# Altium PCB PCB1.PcbDoc
Units mm, origin at the board's own origin, x right, y up, seen from the top; angles counter-clockwise.
Board outline 66 x 58.3 mm, 4 copper layers (Top Layer, Sig1, Sig2, Bottom Layer), stack 1.369 mm thick; 82 components, 71 nets, 312 pads, 288 vias.
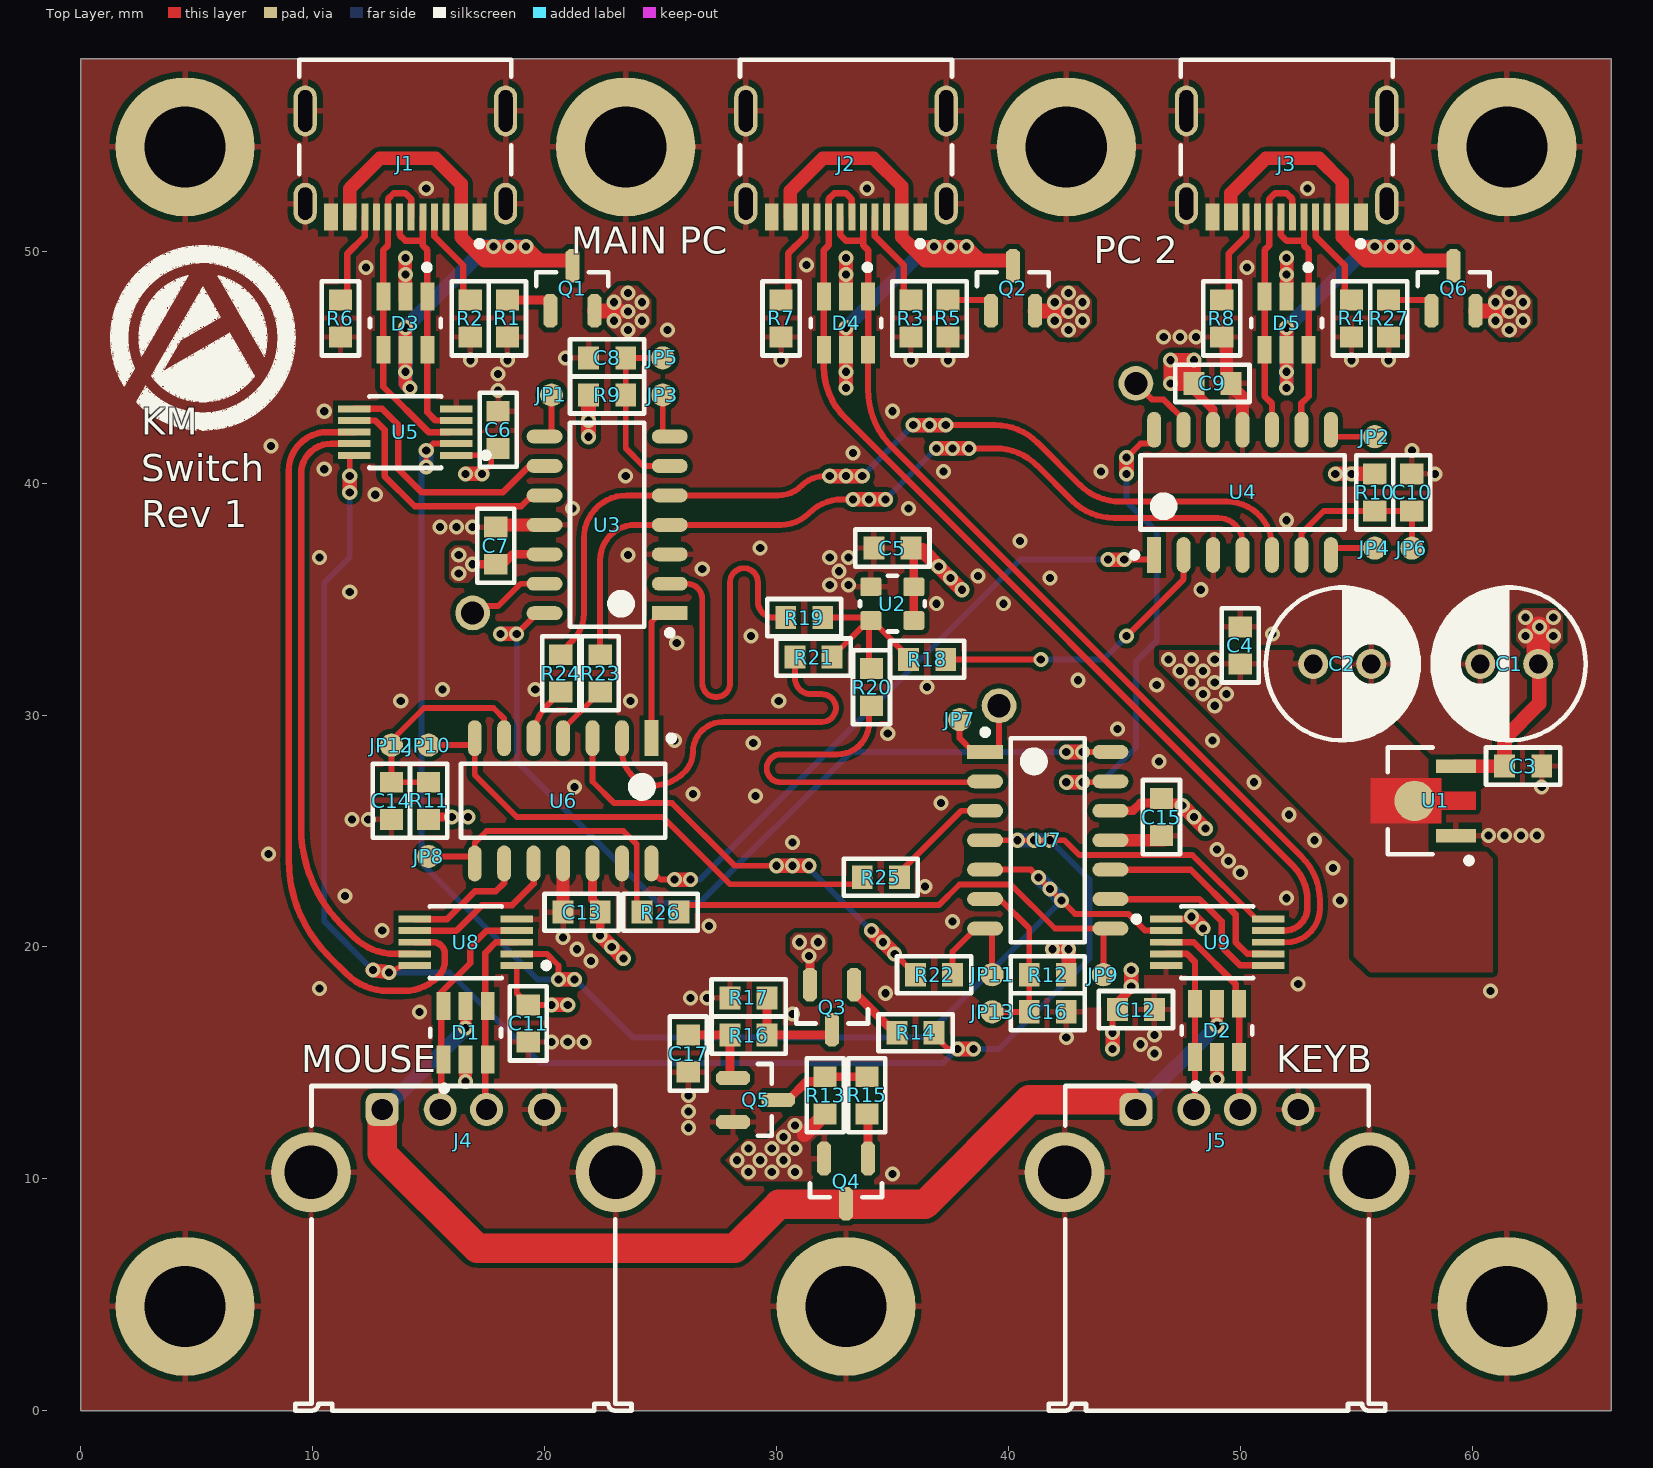
[diagram p0: Top Layer view]
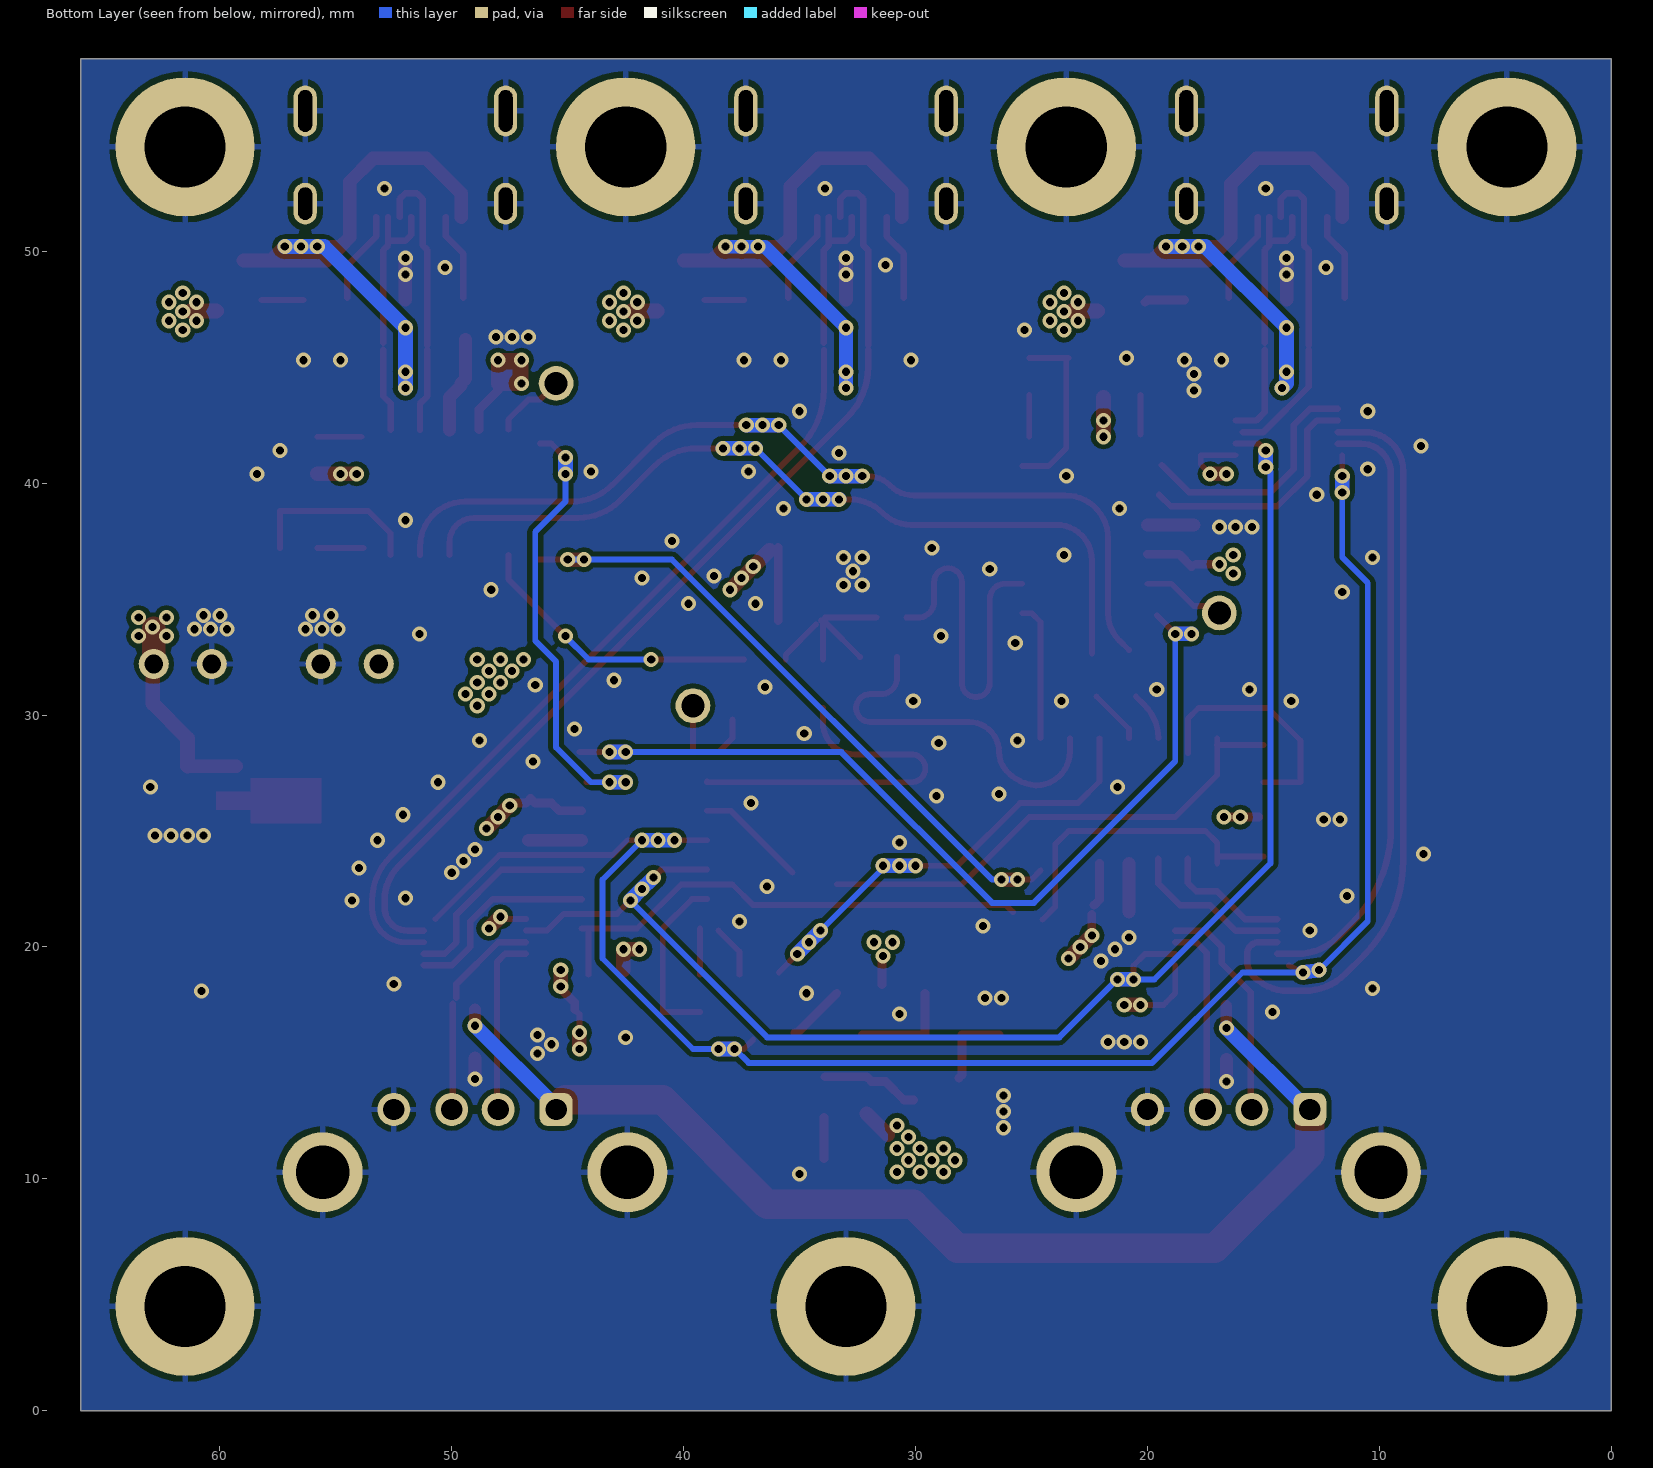
[diagram p1: Bottom Layer view, seen from below]
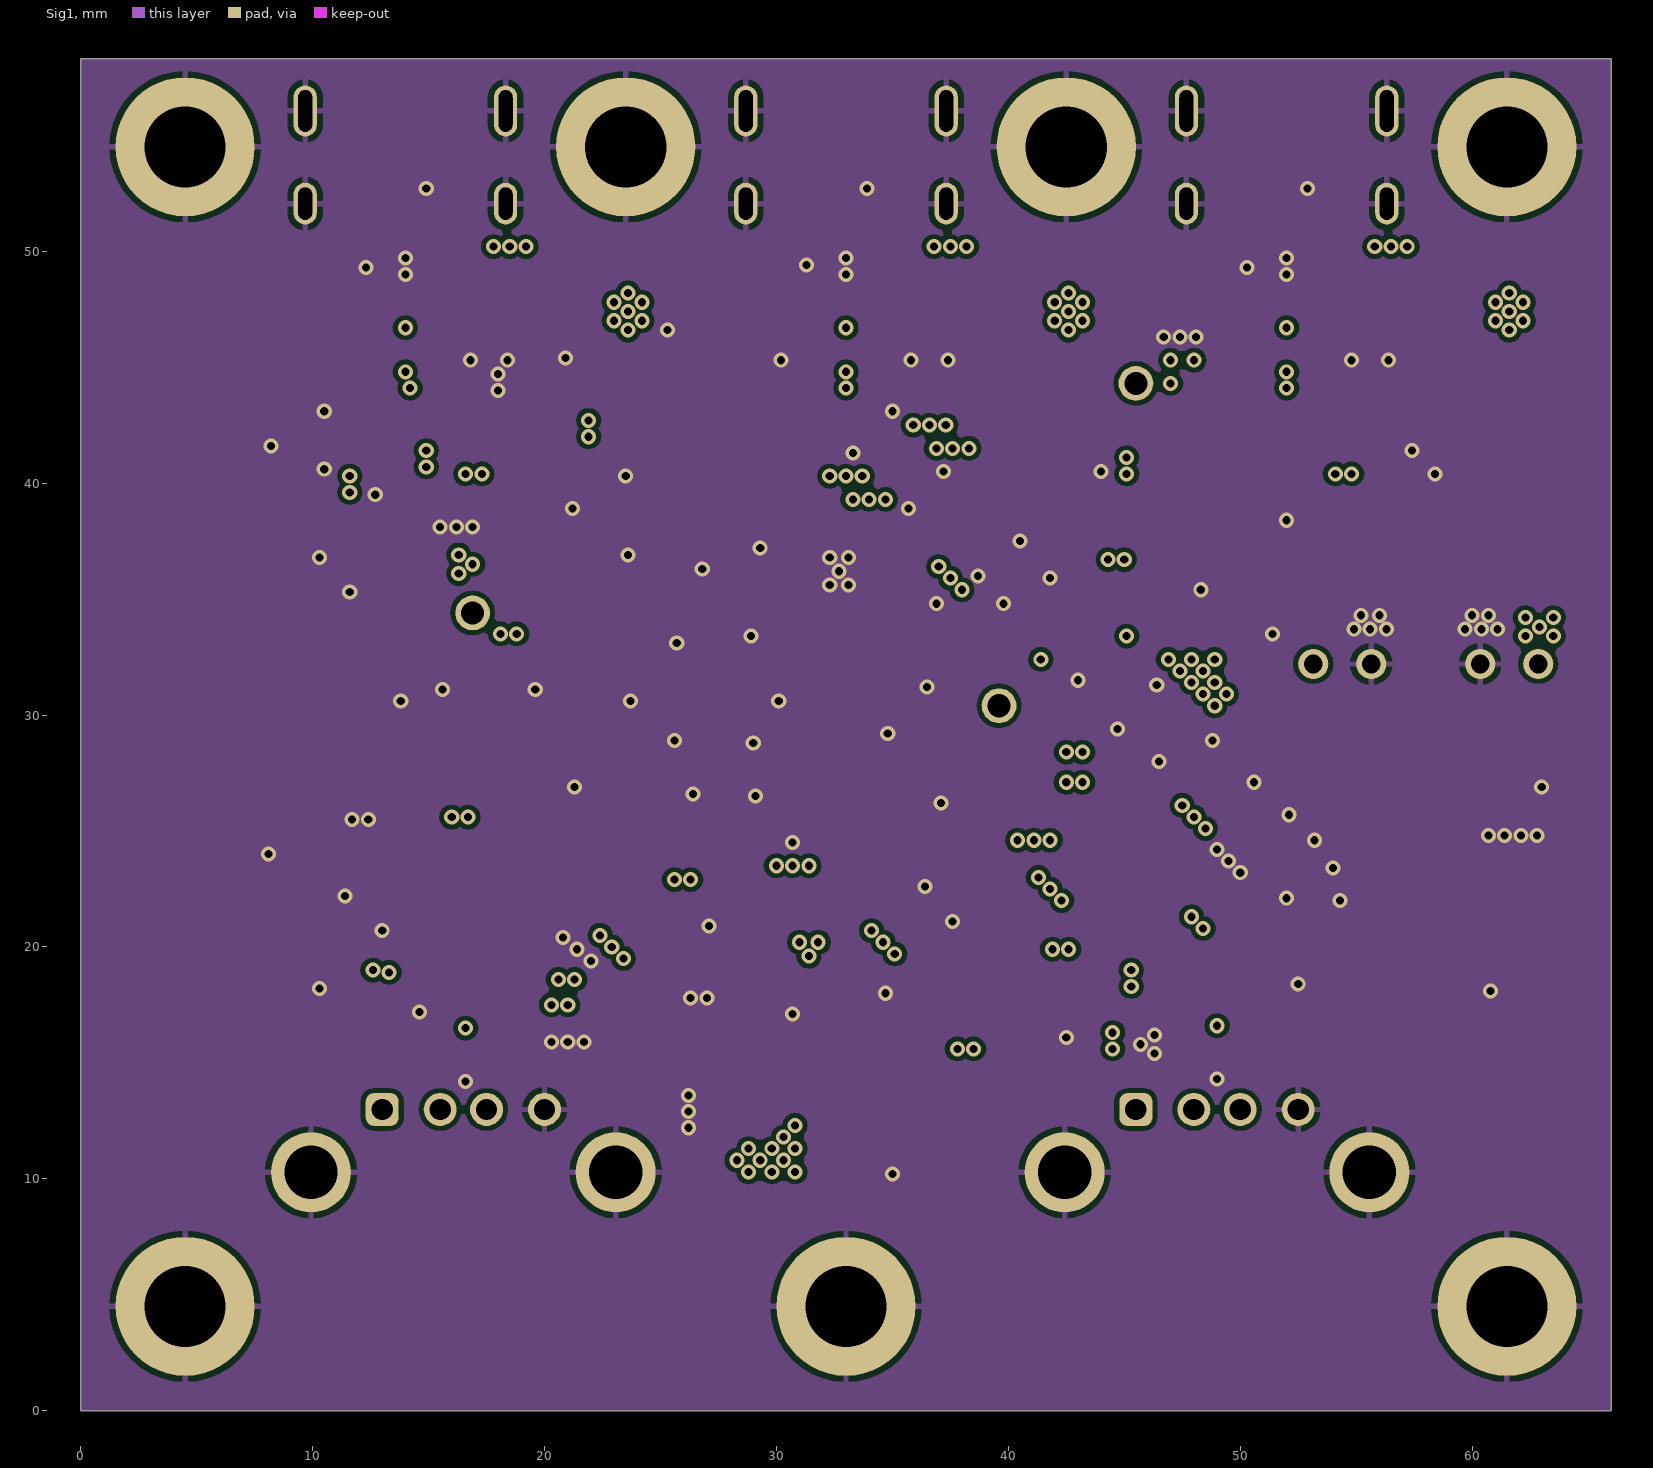
[diagram p2: Sig1]
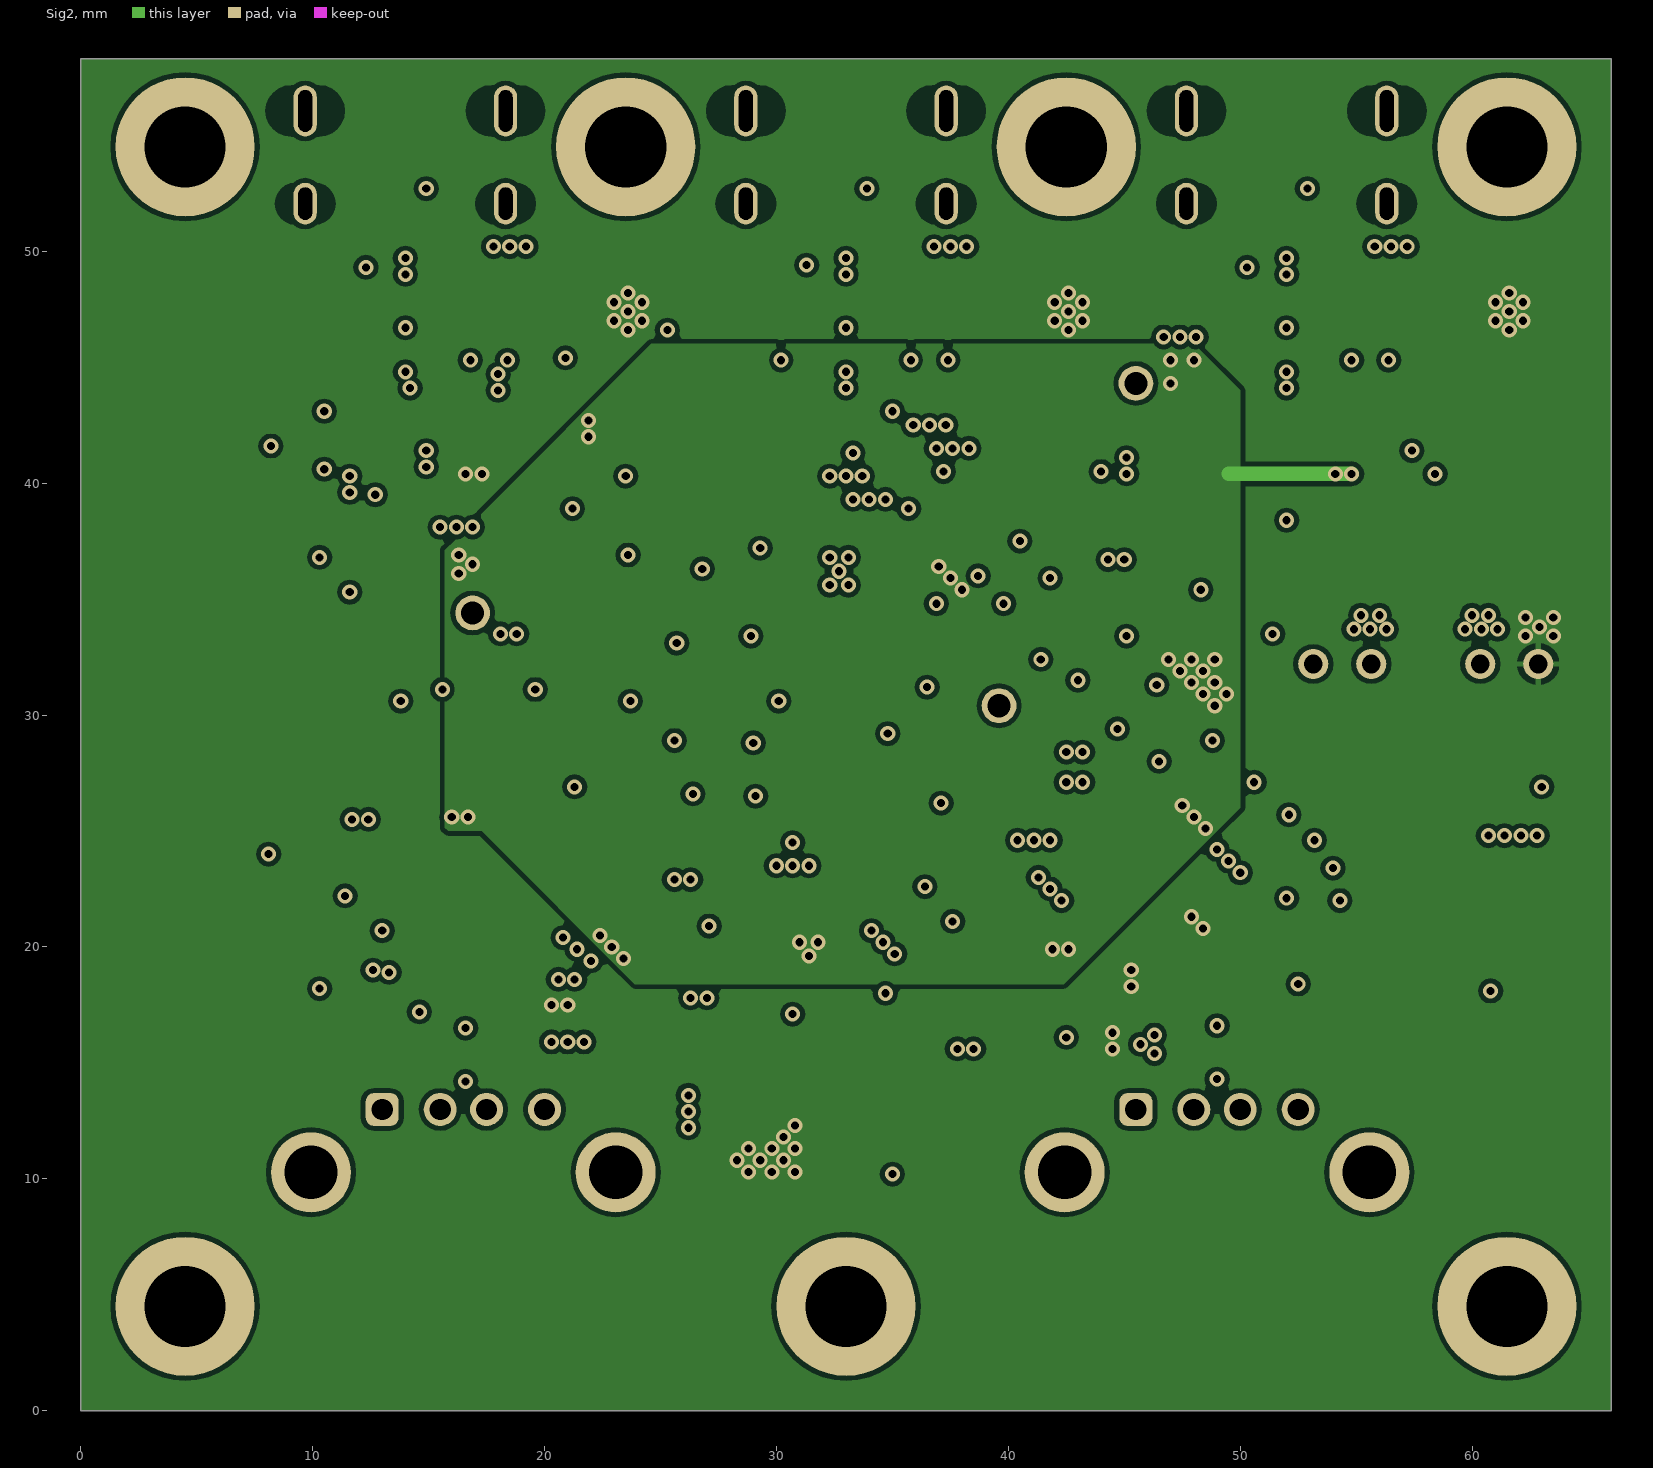
[diagram p3: Sig2]
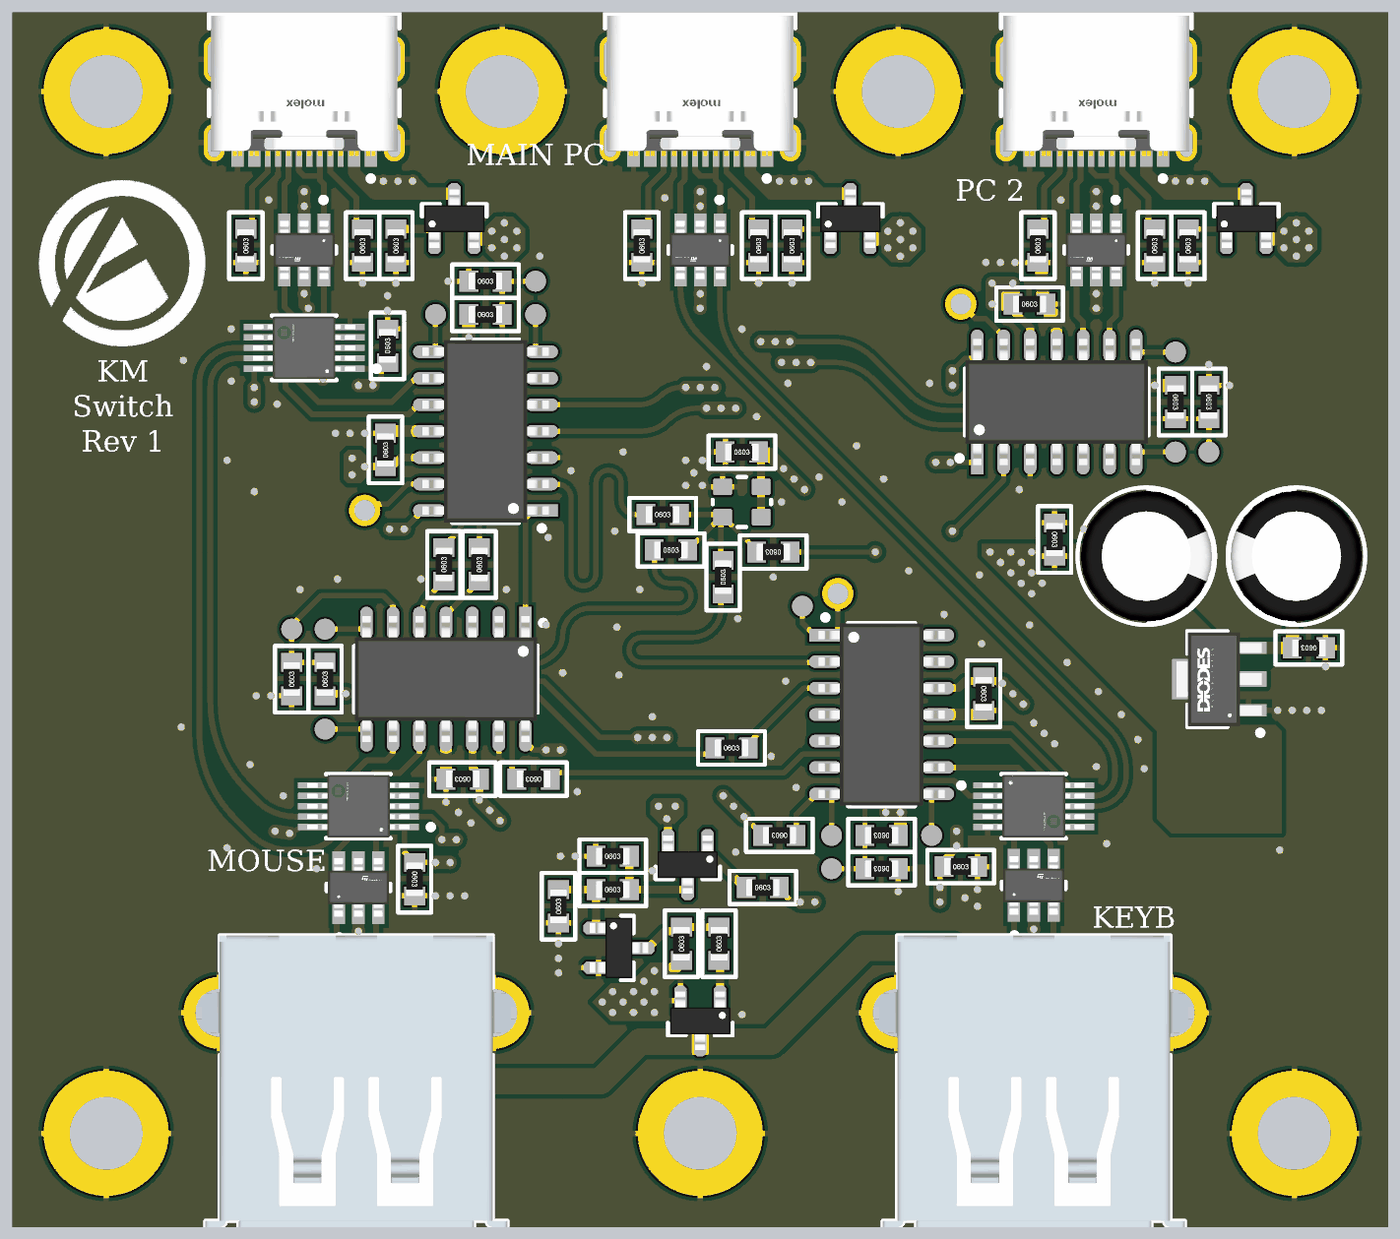
[diagram p4: 3D render of the assembled board from above, using the file's embedded part models]

## Layer stack, top to bottom
Top Solder: solder mask 0.0254, SM-001, Dk 4
Top Layer: signal copper 0.035
Dielectric 1: prepreg 0.1295, PP-017, Dk 4.3
Dielectric 2: prepreg 0.1295, PP-017, Dk 4.3
Sig1: signal copper 0.035
Dielectric 3: core 0.7112, Core-039, Dk 4.8
Sig2: signal copper 0.035
Dielectric 4: prepreg 0.1295, PP-017, Dk 4.3
Dielectric 5: prepreg 0.1295, PP-017, Dk 4.3
Bottom Layer: signal copper 0.035
Bottom Solder: solder mask 0.0254, SM-001, Dk 4

## Board outline
0,0 0,58.3 66,58.3 66,0

## Design rules (kind name [scope] priority, off if disabled: settings)
Clearance [All] p1: gap=0.203 ignorepadtopadclearanceinfootprint=TRUE
DiffPairsRouting [All] p1: maxlimit=0.254 minlimit=0.254 mostfreqgap=0.254 toplayer_minwidth=0.254 toplayer_maxwidth=0.508 toplayer_prefwidth=0.254 midlayer1_minwidth=0.254 midlayer1_maxwidth=0.508 midlayer1_prefwidth=0.254 midlayer2_minwidth=0.254 midlayer2_maxwidth=0.508 midlayer2_prefwidth=0.254 bottomlayer_minwidth=0.254 bottomlayer_maxwidth=0.508 bottomlayer_prefwidth=0.254 maxuncoupledlength=12.7
HoleSize [All] p1: absolutevalues=TRUE maxlimit=25.4 minlimit=0.025 maxpercent=80.000 minpercent=20.000
MatchedLengths [InDifferentialPairClass('All Differential Pairs')] p1: tolerance=25.4 checknetsindiffpair=TRUE checkdiffpairvsdiffpair=FALSE checkxsignals=FALSE checkothers=FALSE usedelayunits=TRUE delaytolerance=100.000000
PolygonConnect PolygonConnect_2 [InPadClass('directconnect')] p1: connectstyle=Direct reliefconductorwidth=0.254 reliefentries=4 polygonreliefangle="90 Angle" airgapwidth=0.254
PolygonConnect PolygonConnect_1 [IsVia] p2: connectstyle=Direct reliefconductorwidth=0.254 reliefentries=4 polygonreliefangle="90 Angle" airgapwidth=0.254
PolygonConnect [All] p3: connectstyle=Relief reliefconductorwidth=0.254 reliefentries=4 polygonreliefangle="90 Angle" airgapwidth=0.254
RoutingVias [All] p1: holewidth=0.711 width=1.27 viastyle="Through Hole" minholewidth=0.711 minwidth=1.27 maxholewidth=0.711 maxwidth=1.27
SolderMaskExpansion [All] p1: expansion=0.102 istentingtop=FALSE
Width [All] p1: maxlimit=25.4 minlimit=0.254 preferedwidth=0.254
28 further rules are at their usual default settings.

## Classes and differential pairs
pad class directconnect: U1-2
differential pair D1S: +D1S_P -D1S_N
differential pair DO2: +DO2_P -DO2_N
differential pair D1C: +D1C_P -D1C_N

## Components (designator, comment, footprint, x,y, rotation, side; value= is the part's Value field where it differs from the comment)
C1 "Cap Non-Pol" "TH CAP AL-6.3X11MM-A1K2" 61.6,32.2 r180 top value=33uF
C2 "Cap Non-Pol" "TH CAP AL-6.3X11MM-A1K2" 54.4,32.2 r0 top value=33uF
C3 ".1uF, *, *, *, Size_0603_N" Size_0603_N 62.2,27.8 r180 top value=.1uF
C4 ".1uF, *, *, *, Size_0603_N" Size_0603_N 50,33 r270 top value=.1uF
C5 ".1uF, *, *, *, Size_0603_N" Size_0603_N 35,37.2 r0 top value=.1uF
C6 ".1uF, *, *, *, Size_0603_N" Size_0603_N 18,42.3 r90 top value=.1uF
C7 ".1uF, *, *, *, Size_0603_N" Size_0603_N 17.9,37.3 r90 top value=.1uF
C8 ".1uF, *, *, *, Size_0603_N" Size_0603_N 22.7,45.4 r0 top value=.1uF
C9 ".1uF, *, *, *, Size_0603_N" Size_0603_N 48.8,44.3 r0 top value=.1uF
C10 ".1uF, *, *, *, Size_0603_N" Size_0603_N 57.4,39.6 r270 top value=.1uF
C11 ".1uF, *, *, *, Size_0603_N" Size_0603_N 19.3,16.7 r270 top value=.1uF
C12 ".1uF, *, *, *, Size_0603_N" Size_0603_N 45.5,17.3 r0 top value=.1uF
C13 ".1uF, *, *, *, Size_0603_N" Size_0603_N 21.6,21.5 r180 top value=.1uF
C14 ".1uF, *, *, *, Size_0603_N" Size_0603_N 13.4,26.3 r90 top value=.1uF
C15 ".1uF, *, *, *, Size_0603_N" Size_0603_N 46.6,25.6 r270 top value=.1uF
C16 ".1uF, *, *, *, Size_0603_N" Size_0603_N 41.7,17.2 r180 top value=.1uF
C17 ".1uF, *, *, *, Size_0603_N" Size_0603_N 26.2,15.4 r90 top value=.1uF
D1 "USBLC6-4SC6" FP-SOT23-6L-MFG 16.6,16.3 r90 top value=3pF
D2 "USBLC6-4SC6" FP-SOT23-6L-MFG 49,16.4 r90 top value=3pF
D3 "USBLC6-4SC6" FP-SOT23-6L-MFG 14,46.9 r270 top value=3pF
D4 "USBLC6-4SC6" FP-SOT23-6L-MFG 33,46.9 r270 top value=3pF
D5 "USBLC6-4SC6" FP-SOT23-6L-MFG 52,46.9 r270 top value=3pF
J1 "217179-0001" FP-2171790001-MFG 14,54.9 r180 top
J2 "217179-0001" FP-2171790001-MFG 33,54.9 r180 top
J3 "217179-0001" FP-2171790001-MFG 52,54.9 r180 top
J4 "61400416021" 61400416021 16.5,7 r0 top
J5 "61400416021" 61400416021 49,7 r0 top
JP1 "Pogo_Contact" Pogo_254 20.3,43.8 r0 top
JP2 "Pogo_Contact" Pogo_254 55.8,42 r270 top
JP3 "Pogo_Contact" Pogo_254 25.1,43.8 r0 top
JP4 "Pogo_Contact" Pogo_254 55.8,37.2 r270 top
JP5 "Pogo_Contact" Pogo_254 25.1,45.4 r0 top
JP6 "Pogo_Contact" Pogo_254 57.4,37.2 r270 top
JP7 "Pogo_Contact" Pogo_254 37.9,29.8 r180 top
JP8 "Pogo_Contact" Pogo_254 15,23.9 r90 top
JP9 "Pogo_Contact" Pogo_254 44.1,18.8 r180 top
JP10 "Pogo_Contact" Pogo_254 15,28.7 r90 top
JP11 "Pogo_Contact" Pogo_254 39.3,18.8 r180 top
JP12 "Pogo_Contact" Pogo_254 13.4,28.7 r90 top
JP13 "Pogo_Contact" Pogo_254 39.3,17.2 r180 top
Q1 "PMV27" SOT23-3 21.2,48.4 r90 top
Q2 "PMV27" SOT23-3 40.2,48.4 r90 top
Q3 "BC807" SOT23-3 32.4,17.4 r270 top
Q4 "PMV27" SOT23-3 33,9.9 r270 top
Q5 "BC817" SOT23-3 29.1,13.4 r0 top
Q6 "PMV27" SOT23-3 59.2,48.4 r90 top
R1 "10k, *" Size_0603_N 18.4,47.1 r90 top value=10k
R2 "5.1K, *" Size_0603_N 16.8,47.1 r90 top value=5.1K
R3 "5.1K, *" Size_0603_N 35.8,47.1 r90 top value=5.1K
R4 "5.1K, *" Size_0603_N 54.8,47.1 r90 top value=5.1K
R5 "10k, *" Size_0603_N 37.4,47.1 r90 top value=10k